# Altium PCB PCB_3U_DAC_no_BNC.PCBDOC (part 7 of 7) (continued)
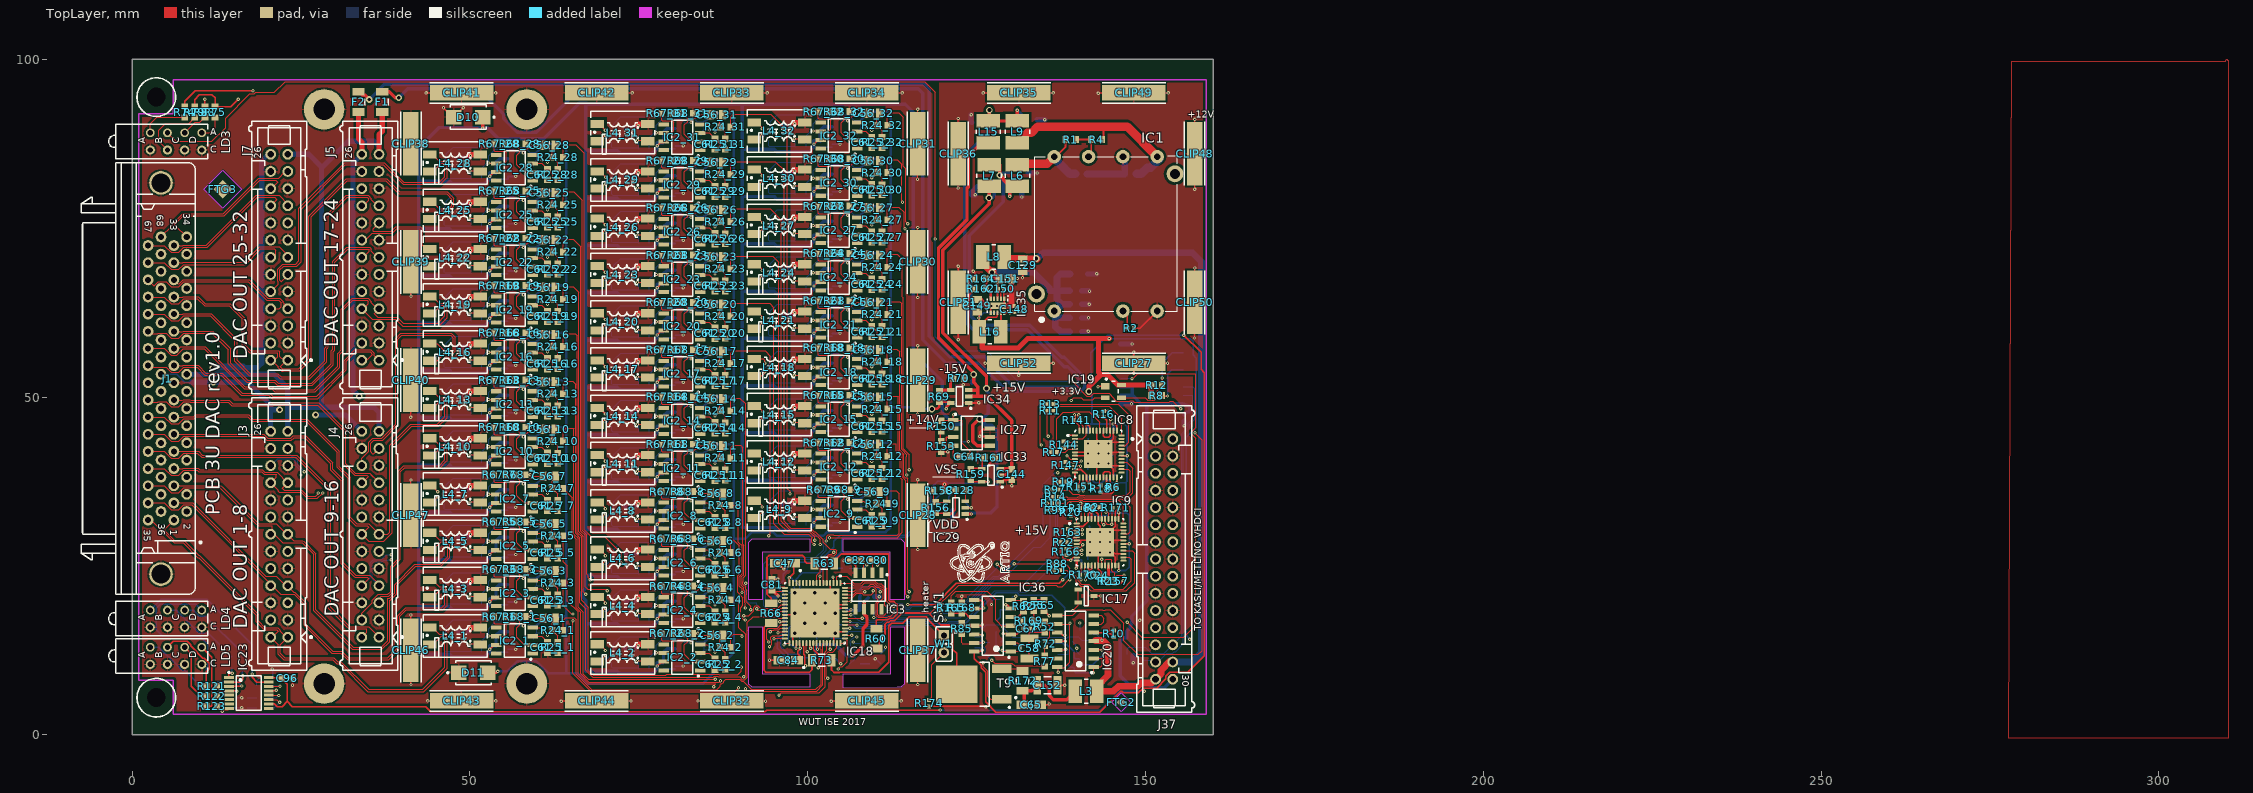
[diagram p0: TopLayer view]
## Nets (pads, with @x,y where several pads share a name; then routed paths per layer and width w, separated by ;. In a path a pad name is that pad's centre, name@x,y a point inside that pad or via, vN(x,y) a via of type N, cw(c..) or ccw(c..) an arc to the next point about the centre after c; other vN are vias at no path point) (continued)
  BottomLayer w0.152: R58.2@20.05,7.25 21.801,7.25 v1(21.869,7.181) ; R116.2@106.2,10.5 106.219,10.5 107,11.281 107,12.468 106.336,13.132 106.336,13.523 106.297,13.562 106.297,13.938 106.635,14.276 106.711,14.276 106.935,14.5 v1(107.25,14.5) ; v1(108.048,17.269) 108.81,17.269 109.143,16.936 109.938,16.936 110.203,17.201 110.203,17.411 110.449,17.657 113.515,17.657 113.636,17.777 v1(119.732,17.777)
VOUT1: IC18.42 R24_1.1 | length 57
  TopLayer w0.127: R24_1.1@63.792,15.494 63.792,16.995 64.166,17.369 65.403,17.369 65.757,17.015 65.757,8.953 68.038,6.672 86.516,6.672 87.025,7.181 87.025,7.444 87.138,7.558 87.275,7.558 87.533,7.816 87.533,7.952 87.833,8.252 89.92,8.252 90.234,7.939 90.437,7.939 91.626,6.75 101.211,6.75 101.976,7.514 101.976,12.673 101.884,12.765 101.884,13.51 IC18.42@101.813,13.581
VOUT2: IC18.43 R24_2.1 | length 29.9
  TopLayer w0.127: R24_2.1@88.592,12.994 88.592,14.495 88.966,14.869
  TopLayer w0.152: 88.966,14.869 90.255,14.869 90.268,14.856 v1(90.268,14.602) ; v1(90.786,6.841) 90.988,6.638 91.36,6.638 91.525,6.474 101.313,6.474 102.242,7.404 102.242,13.511 IC18.43@102.313,13.581
  Signal Layer 1 w0.152: v1(90.268,14.602) 90.268,11.232 90.75,10.75 90.75,9.046 90.975,8.821 90.975,8.445 90.786,8.257 v1(90.786,6.841)
VOUT3: IC18.44 R24_3.1 | length 60.6
  TopLayer w0.127: R24_3.1@63.792,22.494 63.792,19.088 64.976,17.904 v1(65.249,17.904) ; v1(65.249,16.888) 65.249,9.101 67.932,6.418 89.168,6.418 v1(89.75,7) ; v1(95.75,5.899) 96.058,6.207 101.685,6.207 102.587,7.109 102.587,8.137 102.509,8.215 102.509,12.13 102.587,12.208 102.587,12.316 102.813,12.542 IC18.44@102.813,13.581
  Signal Layer 1 w0.127: v1(65.249,16.888) v1(65.249,17.904) ; v1(89.75,7) 89.75,6.859 90.488,6.121 91.084,6.121 91.145,6.181 95.468,6.181 v1(95.75,5.899)
VOUT4: IC18.45 R24_4.1 | length 34.1
  TopLayer w0.127: R24_4.1@88.592,19.994 89.683,19.994 89.814,19.863 89.814,19.512
  TopLayer w0.152: 89.814,19.512 89.814,15.853 90.795,14.873 90.795,8.907 v1(90.522,8.633) ; IC18.45@103.313,13.581 103.313,12.733 v1(103.349,12.697)
  Signal Layer 1 w0.152: v1(90.522,8.633) 90.333,8.445 90.333,6.653 90.598,6.387 90.974,6.387 91.034,6.448 95.842,6.448 96.07,6.22 100.682,6.22 102.206,7.744 102.206,11.381 103.349,12.524 v1(103.349,12.697)
VOUT5: IC18.47 R24_5.1 | length 69.3
  TopLayer w0.127: R24_5.1@63.792,29.494 63.792,25.667 64.433,25.026 64.433,19.78 66.011,18.202 66.011,9.058 67.511,7.558 86.39,7.558 86.106,7.274 v1(86.106,7.112) ; v1(102.968,8.379) 102.763,8.584 102.763,12.025 103.054,12.316 103.107,12.316 103.166,12.257 103.67,12.257 104.313,12.899 IC18.47@104.313,13.581
  Signal Layer 1 w0.127: v1(86.106,7.112) 87.222,7.112 87.474,7.363 89.379,5.458 95.209,5.458 95.462,5.205 101.063,5.205 103.095,7.236 103.095,8.252 v1(102.968,8.379)
VOUT6: IC18.48 R24_6.1 | length 36.2
  TopLayer w0.127: R24_6.1@88.592,26.994 88.592,28.495 88.966,28.869 89.827,28.007 89.827,23.772 89.61,23.554 89.61,22.451 89.606,22.448 89.606,21.118 90.395,20.329 90.395,19.174 90.081,18.861 90.081,17.468 90.534,17.015 v1(90.776,17.015) ; IC18.48@104.813,13.581 105.376,13.581 v1(105.381,13.586)
  Signal Layer 1 w0.127: v1(90.776,17.015) 93.57,17.015 94.87,15.715 94.87,14.887 94.451,14.468 94.451,14.176 94.846,13.781 95.06,13.781 96.181,12.659 97.481,12.659 98.086,13.265 99.122,13.265 99.471,12.916 99.471,12.141 99.729,11.883 100.109,11.883 101.003,12.777 101.003,12.88 101.261,13.138 101.729,13.138 102.745,14.154 104.813,14.154 v1(105.381,13.586)
VOUT7: IC18.49 R24_7.1 | length 76.3
  TopLayer w0.127: R24_7.1@63.792,36.494 63.792,36.411 65.122,35.081 65.122,29.633 65.757,28.998 65.757,18.815 66.392,18.18 66.392,9.036 67.616,7.812 86.906,7.812 v1(87.093,7.998) ; v1(104.5,9.75) 104.5,9.784 104.788,10.072 105.092,10.072 105.821,10.801 105.821,13.973 IC18.49@105.513,14.281
  Signal Layer 1 w0.127: v1(87.093,7.998) 87.601,7.998 89.887,5.712 95.314,5.712 95.568,5.459 100.809,5.459 102.527,7.177 102.527,8.562 102.785,8.82 103.535,8.82 104.465,9.75 v1(104.5,9.75)
VOUT8: IC18.50 R24_8.1 | length 41.5
  TopLayer w0.127: R24_8.1@88.592,33.994 89.437,33.994 89.725,33.706
  TopLayer w0.152: 89.725,33.706 89.725,28.517 90.268,27.975 90.268,23.835 89.876,23.444 89.876,22.34 89.873,22.337 89.873,22.019 90.268,21.625 v1(90.268,21.079) ; IC18.50@105.513,14.781 105.565,14.729 v1(106.524,14.729)
  Signal Layer 1 w0.152: v1(90.268,21.079) 90.268,20.089 90.793,19.564 93.053,19.564 93.697,18.92 97.507,18.92 98.821,20.234 99.854,20.234 99.898,20.19 100.174,20.19 101.063,19.301 101.798,19.301 102.271,18.828 103.06,18.828 103.66,19.428 105.375,19.428 106.209,20.262 106.584,20.262 107.286,19.561 107.286,16.894 107.739,16.441 107.739,15.944 v1(106.524,14.729)
VOUT9: IC18.21 R24_9.1 | length 41.3
  TopLayer w0.127: v1(95.863,19.809) 95.785,19.809 95.757,19.781 IC18.21@96.613,19.781 ; v1(102.714,28.699) 102.781,28.767 102.781,29.39 103.039,29.648 103.797,29.648 103.857,29.588 113.255,29.588 113.509,29.842 113.509,35.684 113.074,36.119 112.166,36.119 111.792,35.745 R24_9.1@111.792,34.244
  BottomLayer w0.127: 95.602,19.809 v1(95.863,19.809) 95.355,19.301 94.078,19.301 93.77,19.609 93.77,24.709 95.094,26.032 101.444,26.032 102.714,27.302 v1(102.714,28.699)
VOUT10: IC18.22 R24_10.1 | length 79.6
  TopLayer w0.127: R24_10.1@63.792,43.494 63.792,44.995 64.166,45.369 65.343,45.369 65.376,45.336 65.376,29.738 66.011,29.103 66.011,18.92 66.773,18.158 66.773,9.014 67.535,8.252 v1(86.331,8.252) ; v1(90.522,17.65) 91.271,17.65 91.978,18.357 91.978,18.841 92.244,19.107 92.609,19.107 93,18.716 95.564,18.716 95.676,18.827 95.676,18.868 96.09,19.281 IC18.22@96.613,19.281
  Signal Layer 1 w0.127: v1(86.331,8.252) 86.517,8.439 87.275,8.439 87.334,8.379 87.601,8.379 89.887,10.665 89.887,10.877 89.573,11.191 89.573,16.829 90.395,17.65 v1(90.522,17.65)
VOUT11: IC18.23 R24_11.1 | length 34.1
  TopLayer w0.127: R24_11.1@88.592,40.994 88.592,42.495 88.966,42.869 90.068,42.869 90.395,42.542 90.395,28.225 90.534,28.085 90.534,23.724 90.19,23.38 90.19,22.811 90.143,22.764 90.143,22.23 90.14,22.227 90.14,22.176 90.534,21.782 90.534,21.435 90.708,21.262 90.708,20.897 90.649,20.837 90.649,19.577 90.776,19.45 v1(90.776,18.793) ; v1(92.427,18.666) 92.631,18.462 95.67,18.462 95.989,18.781 IC18.23@96.613,18.781
  Signal Layer 1 w0.127: v1(90.776,18.793) 91.169,18.793 91.355,18.98 91.72,18.98 91.906,18.793 92.3,18.793 v1(92.427,18.666)
VOUT12: IC18.24 R24_12.1 | length 50.1
  TopLayer w0.127: v1(95.729,17.904) 95.729,18.031 95.979,18.281 IC18.24@96.613,18.281 ; v1(103.222,29.207) 103.222,29.222 113.269,29.222 114.017,29.969 114.017,37.772 113.703,38.085 113.703,41.371 113.128,41.946 113.128,43.119 112.166,43.119 111.792,42.745 R24_12.1@111.792,41.244
  Signal Layer 1 w0.127: v1(95.729,17.904) v1@95.729,18.031
  BottomLayer w0.127: v1(95.729,17.904) 94.713,17.904 93.516,19.101 93.516,25.344 94.459,26.286 101.19,26.286 102.333,27.429 102.333,27.937 102.273,27.997 102.273,28.906 102.574,29.207 v1(103.222,29.207)
VOUT13: IC18.26 R24_13.1 | length 85.6
  TopLayer w0.127: R24_13.1@63.792,50.494 63.792,51.995 64.166,52.369 65.201,52.369 65.63,51.94 65.63,29.843 66.265,29.208 66.265,19.555 67.154,18.666 67.154,9.544 68.146,8.552 86.007,8.552 86.148,8.693 86.706,8.693 86.765,8.633 89.899,8.633 90.339,8.193 90.704,8.193 91.062,8.55 91.062,15.437 91.042,15.457 91.042,16.647 91.919,17.523 95.487,17.523 95.729,17.281 IC18.26@96.613,17.281
VOUT14: IC18.27 R24_14.1 | length 41.2
  TopLayer w0.127: R24_14.1@88.592,47.994 88.592,49.495 88.966,49.869 89.926,49.869 90.788,49.006 90.788,23.619 90.444,23.275 90.444,22.706 90.397,22.659 90.397,22.294 90.788,21.902 90.788,21.541 90.962,21.367 90.962,20.792 90.903,20.732 90.903,19.682 91.538,19.047 v1(91.538,18.539) ; v1(95.863,16.761) 95.883,16.781 IC18.27@96.613,16.781
  Signal Layer 1 w0.127: v1(91.538,18.539) 92.3,17.777 94.84,17.777 95.856,16.761 v1(95.863,16.761)
VOUT15: IC18.28 R24_15.1 | length 66.5
  TopLayer w0.127: v1(94.25,13.75) 94.25,13.829 93.951,14.128 93.951,15.58 94.186,15.816 95.564,15.816 96.03,16.281 IC18.28@96.613,16.281 ; R24_15.1@111.792,48.244 111.792,49.745 112.166,50.119 113.298,50.119 113.382,50.035 113.382,42.052 113.957,41.476 113.957,38.191 114.525,37.623 114.525,20.825 114.779,20.571 v1(114.779,20.444)
  Signal Layer 1 w0.127: v1@94.289,13.789 94.552,13.527 94.955,13.527 96.237,12.245 98.352,12.245 98.968,11.629 100.998,11.629 101.884,12.515 101.884,12.933 102.85,13.9 104.047,13.9 105.145,12.801 107.898,12.801 110.334,15.237 110.334,16.253 111.731,17.65 113.75,17.65 115.219,19.119 115.219,19.484 114.779,19.924 v1(114.779,20.444)
VOUT16: IC18.29 R24_16.1 | length 91.4
  TopLayer w0.127: R24_16.1@63.792,57.494 63.792,58.995 64.166,59.369 65.567,59.369 65.884,59.052 65.884,29.948 66.519,29.313 66.519,19.936 67.535,18.92 67.535,9.522 68.251,8.806 78.991,8.806 79.132,8.947 86.811,8.947 86.87,8.887 89.633,8.887 90.141,9.395 v1(90.141,10.03) ; v1(94.43,15.25) 94.663,15.483 94.937,15.483 95.015,15.562 95.687,15.562 95.93,15.805 96.589,15.805 IC18.29@96.613,15.781
  Signal Layer 1 w0.127: v1(90.141,10.03) 90.141,10.982 89.827,11.296 89.827,15.827 90.222,16.222 93.352,16.222 94.324,15.25 v1(94.43,15.25)
VOUT17: IC18.30 R24_17.1 | length 55.6
  TopLayer w0.127: R24_17.1@88.592,54.994 88.592,56.495 88.966,56.869 93.672,56.869 94.482,56.058 94.482,29.712 v1(94.234,29.464) ; v1@95.685,15.281 IC18.30@96.613,15.281
  Signal Layer 1 w0.127: v1(90.837,22.476) 90.837,22.541 90.776,22.603 90.776,28.572 91.796,29.592 93.294,29.592 93.422,29.464 v1(94.234,29.464)
  BottomLayer w0.127: v1(90.837,22.476) 90.837,20.001 91.284,19.555 92.427,19.555 92.427,19.289 95.602,16.114 v1(95.602,15.11)
VOUT18: IC18.31 R24_18.1 | length 72.9
  TopLayer w0.127: v1(94.332,13.078) 94.69,13.437 94.69,13.937 94.559,14.068 94.559,14.432 94.817,14.69 95.182,14.69 95.211,14.662 95.5,14.662 95.508,14.67 95.832,14.67 95.944,14.781 IC18.31@96.613,14.781 ; R24_18.1@111.792,55.244 111.792,56.745 112.166,57.119 113.206,57.119 113.636,56.689 113.636,42.157 114.211,41.581 114.211,38.296 114.469,38.038 114.733,38.038 114.779,37.992 114.779,21.46 v1(115.033,21.206)
  Signal Layer 1 w0.127: v1(94.332,13.078) 95.044,13.078 96.131,11.991 98.247,11.991 98.863,11.375 101.103,11.375 102.138,12.41 102.138,12.828 102.956,13.646 103.942,13.646 105.04,12.547 108.449,12.547 110.588,14.686 110.588,15.872 111.858,17.142 113.602,17.142 115.473,19.014 115.473,20.766 v1(115.033,21.206)
VOUT19: IC18.32 R24_19.1 | length 83.6
  TopLayer w0.127: R24_19.1@63.792,64.494 63.792,65.995 64.166,66.369 65.298,66.369 66.138,65.529 66.138,30.054 66.773,29.419 66.773,21.206 v1(67.154,20.825) ; v1(95,14.25) 94.931,14.25 94.9,14.281 IC18.32@96.613,14.281
  Signal Layer 1 w0.127: v1(67.154,20.825) 67.211,20.768 79.369,20.768 79.785,21.184 87.892,21.184 90.081,18.994 90.081,18.506 90.488,18.099 90.708,18.099 91.538,17.269 93.675,17.269 95.124,15.82 95.124,14.782 95,14.657 v1(95,14.25)
VOUT20: IC18.33 R24_20.1 | length 83
  TopLayer w0.127: R24_20.1@88.592,61.994 88.592,63.495 88.966,63.869 94.341,63.869 94.967,63.243 94.967,31.239 96.491,29.715 100.174,29.715 100.682,29.207 100.622,29.148 100.622,28.505 v1(100.936,28.191) ; v1(96.491,13.354) 96.718,13.581 IC18.33@97.313,13.581
  Signal Layer 1 w0.127: v1(96.491,13.354) 97.417,14.281 101.761,14.281 103.456,15.976 104.454,15.976 105.007,15.422 105.007,14.942 106.309,13.64 106.309,13.568 106.567,13.309 106.932,13.309 109.064,15.441 109.064,17.093 109.055,17.101 109.055,17.677 109.064,17.685 109.064,19.628 108.526,20.165 108.487,20.165 107.756,20.897 107.109,20.897 106.524,21.482 106.524,22.117 104.767,23.873 102.185,23.873 100.809,25.25 100.809,28.064 v1(100.936,28.191)
VOUT21: IC18.37 R24_21.1 | length 74.8
  TopLayer w0.127: R24_21.1@111.792,62.244 111.792,63.745 112.166,64.119 ; 112.166,64.119 113.649,64.119 113.89,63.878 113.89,42.262 114.652,41.5 114.652,41.217 114.592,41.157 114.592,38.538 v1(114.652,38.478)
  TopLayer w0.203: IC18.37@99.313,13.581 99.313,13.128 99.387,13.054 99.418,13.022 99.418,12.626 99.396,12.604 99.396,11.924 99.554,11.766 99.554,10.361 v1(99.677,10.239)
  Signal Layer 1 w0.127: v1(99.677,10.239) 100.484,11.046 101.134,11.046 102.392,12.304 102.392,12.723 103.061,13.392 103.837,13.392 104.935,12.293 108.555,12.293 110.969,14.707 110.969,15.872 111.985,16.888 113.89,16.888 115.727,18.726 115.727,21.135 115.207,21.655 115.126,21.655 114.652,22.129 v1(114.652,38.478)
VOUT22: IC18.38 R24_22.1 | length 97.3
  TopLayer w0.127: R24_22.1@63.792,71.494 63.792,72.995 64.166,73.369 65.283,73.369 66.392,72.26 66.392,30.159 67.027,29.524 67.027,21.968 67.408,21.587 70.075,21.587 v1(70.329,21.333) ; IC18.38@99.813,13.581 99.813,12.296 99.84,12.323 v1(99.912,12.323)
  Signal Layer 1 w0.127: v1(70.329,21.333) 78.689,21.333 79.004,21.649 79.369,21.649 79.63,21.388 79.68,21.438 88.135,21.438 90.335,19.238 90.335,18.611 90.593,18.353 91.101,18.353 91.931,17.523 94.205,17.523 96.237,15.491 96.237,14.48 96.05,14.294 96.05,13.172 96.308,12.913 97.2,12.913 98,13.713 99.539,13.713 99.912,13.34 v1(99.912,12.323) v1@99.793,12.442
VOUT23: IC18.39 R24_23.1 | length 87.5
  TopLayer w0.127: R24_23.1@88.592,68.994 88.592,70.495 88.966,70.869 94.834,70.869 95.729,69.974 95.729,31.366 97.043,30.052 100.207,30.052 100.711,29.548 100.849,29.548 101.063,29.334 v1(101.063,28.826)
  TopLayer w0.203: IC18.39@100.313,13.581 100.313,12.709 v1(100.428,12.824)
  Signal Layer 1 w0.127: v1(100.428,12.824) 100.995,13.392 101.231,13.392 102.247,14.408 102.463,14.408 103.777,15.722 104.349,15.722 104.753,15.317 104.753,14.837 106.055,13.534 106.055,13.462 106.462,13.055 107.39,13.055 109.445,15.11 109.445,17.072 109.309,17.207 109.309,17.572 109.445,17.707 109.445,19.606 108.285,20.766 108.246,20.766 107.861,21.151 107.214,21.151 106.778,21.587 106.778,22.222 104.873,24.127 102.291,24.127 101.063,25.355 101.063,27.695 101.376,28.009 101.376,28.513 v1(101.063,28.826)
VOUT24: IC18.40 R24_24.1 | length 82.5
  TopLayer w0.127: IC18.40@100.813,13.581 100.868,13.526 100.868,12.596 100.906,12.558 ; R24_24.1@111.792,69.244 111.792,70.745 112.166,71.119 ; 112.166,71.119 113.253,71.119 114.017,70.355 114.017,64.894 114.144,64.767 114.144,42.367 115.033,41.478 v1(115.033,39.24)
  TopLayer w0.203: 100.906,12.558 101.245,12.219 101.287,12.219 101.684,11.822 101.684,10.044 101.584,9.945 v1(101.535,9.945)
  Signal Layer 1 w0.127: v1(101.535,9.945) 101.535,11.088 102.646,12.199 102.646,12.316 102.908,12.578 102.908,12.88 103.166,13.138 103.531,13.138 105.368,11.3 107.921,11.3 111.35,14.729 111.35,15.872 112.112,16.634 114.398,16.634 116.049,18.285 116.049,21.333 115.473,21.909 115.231,21.909 114.973,22.167 114.973,38.177 115.092,38.296 115.092,39.181 v1(115.033,39.24)
VOUT25: IC18.60 R24_25.1 | length 103.7
  TopLayer w0.127: R24_25.1@63.792,78.494 63.792,79.995 64.166,80.369 65.395,80.369 66.646,79.118 66.646,30.264 67.281,29.629 67.281,23.746 67.535,23.492 67.535,23.238 v1(67.789,22.984) ; IC18.60@105.513,19.781 106.369,19.781 v1(106.397,19.809)
  Signal Layer 1 w0.127: v1(67.789,22.984) 86.995,22.984 90.683,19.297 92.814,19.297 93.457,18.653 97.617,18.653 97.757,18.793 101.593,18.793 101.986,18.399 103.332,18.399 103.726,18.793 105.381,18.793 v1(106.397,19.809)
VOUT26: IC18.61 R24_26.1 | length 79.6
  TopLayer w0.127: R24_26.1@88.592,75.994 88.592,77.495 88.966,77.869 94.438,77.869 96.11,76.197 96.11,31.642 97.445,30.306 100.378,30.306 100.883,29.802 100.954,29.802 101.825,28.931 v1(101.825,28.191) ; IC18.61@105.513,20.281 106.615,20.281 107.286,20.952 108.06,20.952 108.246,20.766 109.385,20.766 109.699,21.079 v1(109.699,21.333)
  Signal Layer 1 w0.127: v1(101.825,28.191) 102.019,27.997 102.019,25.062 102.7,24.381 105.275,24.381 107.688,21.968 109.191,21.968 109.826,21.333 v1(109.699,21.333)
VOUT27: IC18.62 R24_27.1 | length 78.9
  TopLayer w0.127: IC18.62@105.513,20.781 106.755,20.781 107.18,21.206 v1(108.429,21.206) ; R24_27.1@111.792,76.244 111.792,77.745 112.166,78.119 ; 112.166,78.119 113.492,78.119 114.271,77.34 114.271,75.054 v1(114.398,74.927)
  Signal Layer 1 w0.127: v1(108.429,21.206) 108.831,21.206 109.339,20.698 109.686,20.698 110.139,21.151 110.139,21.782 109.699,22.222 107.794,22.222 105.381,24.635 104.111,24.635 103.416,25.33 103.416,27.231 103.476,27.29 103.476,28.169 105.148,29.842 111.604,29.842 113.89,32.128 113.89,74.419 v1(114.398,74.927)
VOUT28: IC18.3 R24_28.1 | length 109.7
  TopLayer w0.127: R24_28.1@63.792,85.494 63.792,86.995 64.166,87.369 65.634,87.369 66.9,86.103 66.9,30.369 67.935,29.334 69.954,29.334 72.415,26.873 v1(72.415,25.451) ; v1(103.73,23.365) 103.813,23.282 IC18.3@103.813,22.481
  Signal Layer 1 w0.127: v1@72.415,25.448 79.294,25.448 79.981,24.762 90.141,24.762 90.522,24.381 90.522,22.845 90.397,22.721 90.397,21.573 90.708,21.262 90.708,20.897 90.534,20.723 90.534,20.2 90.904,19.83 94.942,19.83 95.403,19.369 97.578,19.369 98.71,20.501 100.24,20.501 100.551,20.19 102.079,20.19 103.73,21.841 v1(103.73,23.365)
VOUT29: IC18.5 R24_29.1 | length 77.6
  TopLayer w0.127: R24_29.1@88.592,82.994 88.592,84.495 88.966,84.869 95.185,84.869 96.491,83.563 96.491,31.62 97.507,30.604 100.44,30.604 100.988,30.056 101.103,30.056 102.273,28.886 102.273,28.517 103.301,27.489 104.039,27.489 104.297,27.231 104.297,26.866 103.919,26.488 103.256,26.488 102.9,26.132 102.9,22.569 IC18.5@102.813,22.481
VOUT30: IC18.6 R24_30.1 | length 74.2
  TopLayer w0.127: IC18.6@102.333,22.501 IC18.6@102.313,22.481 102.313,25.25 v1(102.46,25.397) ; R24_30.1@111.792,83.244 111.792,84.745 112.166,85.119 113.223,85.119 113.89,84.452 113.89,78.991 v1(114.017,78.864)
  Signal Layer 1 w0.127: v1(102.46,25.397) 102.46,26.794 103.222,27.556 103.222,28.275 105.043,30.096 110.67,30.096 113.636,33.062 113.636,78.483 v1(114.017,78.864)
VOUT31: IC18.7 R24_31.1 | length 80.2
  TopLayer w0.127: R24_31.1@88.592,89.994 88.592,91.495 88.966,91.869 94.535,91.869 96.999,89.405 96.999,36.446 97.38,36.065 v1(97.38,35.684) ; IC18.7@101.813,22.481 v1(101.813,23.492)
  Signal Layer 1 w0.127: v1(97.38,35.684) 97.38,34.547 97.899,34.027 98.275,34.027 100.368,31.934 100.368,30.676 100.453,30.591 100.453,24.852 v1(101.813,23.492)
VOUT32: IC18.8 R24_32.1 | length 83.3
  TopLayer w0.127: IC18.8@101.313,22.481 101.313,23.615 101.676,23.978 101.825,23.978 101.825,25.416 103.15,26.742 103.528,26.742 103.835,27.048 v1(103.857,27.048) ; R24_32.1@111.792,90.244 111.792,91.745 112.166,92.119 113.462,92.119 114.144,91.437 114.144,84.198 114.525,83.817 114.525,75.943 v1(114.779,75.689)
  Signal Layer 1 w0.127: v1(103.857,27.048) 103.984,27.175 103.984,28.318 105.254,29.588 111.709,29.588 114.211,32.09 114.211,74.211 114.487,74.487 114.58,74.487 114.838,74.745 114.838,75.63 v1(114.779,75.689)
pads on no net: FTG1.FTG2 FTG2.1 FTG3.1 FTG4.1 IC1.8 IC1.9 IC2_1.1 IC2_1.5 IC2_1.8 IC2_2.1 IC2_2.5 IC2_2.8 IC2_3.1 IC2_3.5 IC2_3.8 IC2_4.1 IC2_4.5 IC2_4.8 IC2_5.1 IC2_5.5 IC2_5.8 IC2_6.1 IC2_6.5 IC2_6.8 IC2_7.1 IC2_7.5 IC2_7.8 IC2_8.1 IC2_8.5 IC2_8.8 IC2_9.1 IC2_9.5 IC2_9.8 IC2_10.1 IC2_10.5 IC2_10.8 IC2_11.1 IC2_11.5 IC2_11.8 IC2_12.1 IC2_12.5 IC2_12.8 IC2_13.1 IC2_13.5 IC2_13.8 IC2_14.1 IC2_14.5 IC2_14.8 IC2_15.1 IC2_15.5 IC2_15.8 IC2_16.1 IC2_16.5 IC2_16.8 IC2_17.1 IC2_17.5 IC2_17.8 IC2_18.1 IC2_18.5 IC2_18.8 IC2_19.1 IC2_19.5 IC2_19.8 IC2_20.1 IC2_20.5 IC2_20.8 IC2_21.1 IC2_21.5 IC2_21.8 IC2_22.1 IC2_22.5 IC2_22.8 IC2_23.1 IC2_23.5 IC2_23.8 IC2_24.1 IC2_24.5 IC2_24.8 IC2_25.1 IC2_25.5 IC2_25.8 IC2_26.1 IC2_26.5 IC2_26.8 IC2_27.1 IC2_27.5 IC2_27.8 IC2_28.1 IC2_28.5 IC2_28.8 IC2_29.1 IC2_29.5 IC2_29.8 IC2_30.1 IC2_30.5 IC2_30.8 IC2_31.1 IC2_31.5 IC2_31.8 IC2_32.1 IC2_32.5 IC2_32.8 IC3.1 IC3.5 IC3.7 IC3.8 IC8.17 IC8.25 IC8.29 IC8.32 IC8.35 IC8.44 IC9.17 IC9.25 IC9.29 IC9.32 IC9.35 IC9.44 IC13.6 IC13.7 IC13.9 IC13.11 IC13.13 IC18.9 IC18.10 IC18.11 IC18.12 IC18.13 IC18.14 IC18.15 IC18.19 IC18.20 IC23.9 IC32.5 IC35.4 IC35.7
copper on no net: | length 0.1
  Signal Layer 1 w0.203: 127.352,34.981 127.352,35.049

## Polygon pours and split planes (outlines as drawn)
GND on Signal Layer 1 "L3-No Net" (solid, remove dead copper, pour order 0): -2.25,102 0,99.75 159.745,99.75 160,0.005 0.75,0
GNDP_2 on Signal Layer 1 "L3-No Net" (solid, remove dead copper, shelved, pour order 8): 278,100.25 310,100.25 309.809,100.059 309.809,0.5 278.25,0.5 278,0.25
GNDP_2 on BottomLayer "L3-No Net" (solid, remove dead copper, shelved, pour order 16): 278.107,100.5 278.357,100.25 309.857,100.25 309.857,0 310.107,-0.25 309.857,0 278.107,0
P3V3 on BottomLayer "L3-No Net" (solid, remove dead copper, pour order 26): 140,53 145,53 145,48.27 145.27,48 148.699,48 148.699,21 137,21 137,24 138,25 138,53 140,53
P12V0A on BottomLayer "L3-No Net" (solid, remove dead copper, pour order 28): 121,45 127,45 127,56 117,56 116,57 116,94 66,94 65,93 60.584,88.584 60,88.584 57.416,88.584 55,91 54,92 53,92 53,91 56,88 58,88 62,88 60,88 60,15 64,15 64,89 67,92 73,92 85,92 85,77 85,14 85.177,14.177 88.5,14.177 88.5,92 107,92 107,34.401 107.072,34.329 107.401,34 114.017,34 114.017,43.017 116,45 119,48 119,49 120,50 123,50 120,50 120,51 125,51 125,48 123,48 121,46
N12V0A on BottomLayer "L3-No Net" (solid, remove dead copper, pour order 30): 123,50.5 123,48.5 121,46.5 118.5,44 118.5,41 118.5,33.015 117,31.515 115.073,29.588 111,29.588 102.747,29.588 102.159,29 102.121,29.037 97,29.037 92.037,29.037 91,28 91,26 91,12.155 89.984,11.139 83.345,4.5 79.5,4.5 67,4.5 62.5,4.5 42,4.5 41,5.5 39.5,7 39.5,9.5 39.5,82.388 39.388,82.5 44.5,82.5 44.5,80.5 42.5,80.5 42.5,10.824 42.268,10.591 53.571,10.591 55,12.021 55.253,12.274 63.5,12.274 64.5,12.274 64.5,23.555 64.5,87 68,87 67.91,86.91 67.91,81 67.91,8.59 68,8.5 68.052,8.552 78,8.552 82.704,8.552 83.652,9.5 88.5,14.348 88.5,16.5 88.5,86 89,86.5 89.5,87 91.046,87 91.046,86.954 91.5,86.5 91.5,83.5 91.5,30 96.5,30 100.879,30 102,31.121 102.379,31.5 107.5,31.5 112.5,31.5 113.5,32.5 114.211,33.211 114.211,35 114.211,43.211 115,44 120.5,49.5 120.5,50 120.5,50.5 123,50.5
P12V0 on BottomLayer "L3-No Net" (solid, remove dead copper, pour order 32): 153,11.935 156,11.935 156.827,12.762 156.827,67.673 156,68.5 155.5,69 145,69 132.5,69 131.5,70 131.5,72 131.5,73.5 132,74 132.5,74.5 137,74.5 160,74.5 160.5,75 160,74.5 160,11 159,10 158.5,9.5 153.028,9.5 152.917,9.61 153,9.693
P13V0_SCSI on BottomLayer "L3-No Net" (solid, remove dead copper, pour order 34): 8,54.699 8.468,54.231 14,54.231 23.694,54.231 24.963,55.5 24.963,58.5 24.963,83.537 24,84.5 22,84.5 22,87 27,87 28.695,87 30.195,88.5 30.695,89 36,89 38.212,89 38.462,88.75 38.5,88.712 38.5,87.254 38.5,85 35.5,85 35.5,86.949 35.33,86.779 33,86.779 33,86.748 30.5,84.248 30,83.748 30,81.5 30,49.5 38,49.5 38,44.107 37.893,44 35.5,44 35.5,47.5 25,47.5 25,44.015 24.928,43.943 22,43.943 22,50.539 20.5,52.039 20.5,52.228 8.272,52.228 8,52.5
N13V0_SCSI on BottomLayer "L3-No Net" (solid, remove dead copper, pour order 36): 35,86.5 35,85 34.091,85 33.5,84.409 33.5,82.5 33.5,52.5 34.5,51.5 34.5,50.5 34.5,49.874 34.374,50 31.5,50 31.5,84.5 32.5,85.5 33.788,86.788 34.835,86.788
N13V0_SCSI on BottomLayer "L3-No Net" (solid, remove dead copper, pour order 38): 21.5,87 21.5,85 21,84.5 20.5,84 19.5,84 19.5,82.5 19.5,55 19,54.5 18.5,54 17.5,54 11.5,54 11.5,55.5 18,55.5 18,86 19,87
GND on BottomLayer "L3-No Net" (solid, remove dead copper, pour order 40): 0,100 0,0 0.003,0.003 159.997,0.003 159.997,100.497 160,100.5 159.5,100 0,100
GNDP_2 on TopLayer "L3-No Net" (solid, remove dead copper, shelved, pour order 24): 278.25,99.75 309.809,99.75 310.059,100 310.25,99.809 310.25,-0.5 277.75,-0.5
GND on TopLayer "L3-No Net" (solid, remove dead copper, pour order 42): 0,100 160,100 159.997,99.997 159.997,0.003 0.003,0.003 0,0
GNDP_2 on Internal Plane 2 (split plane): 159.49,50.005 159.484,0.516 0.51,0.51 0.51,99.489 118.5,99.489 118.5,59 126,51.5 141,51.5 141,52.5 126,52.5 119.5,59 119.5,99.489 159.484,99.489

## Keep-outs
KeepOutLayer:
  lines w0.203: 1,8.103 6.096,8.103 6.096,3.023 159,3.023 159,97.003 6.096,97.003 6.096,91.923 1,91.923 1,8.103

## Other copper
TopLayer:
  pour cut-out: 119.5,100 119.5,59 126,52.5 141,52.5 141,51.5 126,51.5 118.5,59 118.5,100
Signal Layer 1:
  pour cut-out: 119.5,100 119.5,59 126,52.5 141,52.5 141,51.5 126,51.5 118.5,59 118.5,100
BottomLayer:
  pour cut-out: 119.5,100 119.5,59 126,52.5 141,52.5 141,51.5 126,51.5 118.5,59 118.5,100
Internal Plane 2 (plane layer: these items are gaps in the copper):
  pour cut-out: 119.5,100 119.5,59 126,52.5 141,52.5 141,51.5 126,51.5 118.5,59 118.5,100

## Silkscreen, mask and mechanical layers (free items; w line width, h text height)
TopOverlay:
  drawing of 1225 lines, arcs and shapes, not listed
  text "+12V" at 156.24,91.325 h1.02
  text "DAC OUT 17-24" at 30.48,57.404 h2.03 r90
  text "DAC OUT 25-32" at 17.018,55.626 h2.03 r90
  text "-15V" at 119.5,53.5 h1.27
  text "+15V" at 127.327,50.776 h1.27
  text "+3.3V" at 136.119,50.343 h1.02
  text "+14V" at 114.5,46 h1.27
  text "VSS" at 118.888,38.697 h1.27
  text "PCB 3U DAC rev1.0" at 12.954,32.512 h2.03 r90
  text "VDD" at 118.5,30.5 h1.27
  text "+15V" at 130.678,29.64 h1.27
  text "heater" at 117.941,18.044 h1 r90
  text "DAC OUT 9-16" at 30.578,17.526 h2.03 r90
  text "DAC OUT 1-8" at 17.018,15.748 h2.03 r90
  text "TO KASLI/METLINO VHDCI" at 158.263,15.456 h1.02 r90
  text "WUT ISE 2017" at 98.638,1.431 h1.02
BottomOverlay:
  drawing of 1216 lines, arcs and shapes, not listed
  text "PCB 3U DAC rev1.0" at 14.249,37.567 h2.03 r270
  text "WUT ISE 2017" at 109.788,1.431 h1.02
Mechanical1:
  lines w0.1: 0,0 0,100 159.995,100 ; 159.995,0.005 159.995,50 ; 160,50.005 160,60 160,100 ; 91.252,16.031 91.252,7.542 91.763,7.031 100.273,7.031 100.273,9.031 93.273,9.031 93.273,16.031 91.252,16.031 ; 91.252,16.031 91.252,16.031 ; 100.263,29.042 91.773,29.042 91.263,28.531 91.263,20.021 93.263,20.021 93.263,27.021 100.263,27.021 100.263,29.042 ; 100.263,29.042 100.263,29.042 ; 105.263,7.01 113.752,7.01 114.263,7.521 114.263,16.031 112.263,16.031 112.263,9.031 105.263,9.031 105.263,7.01 ; 105.263,7.01 105.263,7.01 ; 114.268,20.031 112.247,20.031 112.247,27.031 105.247,27.031 105.247,29.031 113.757,29.031 114.268,28.521 114.268,20.031 ; 114.268,20.031 114.268,20.031
  lines w0.254: 0,0 159.989,0 159.995,0.005
Mechanical4:
  lines w0.508: -2.544,-15.25 -2.544,114.162
  lines w1: 41.263,5.031 116.263,5.031 116.263,95.031 41.263,95.031 41.263,5.031 ; 122.263,55.031 122.263,95.031 157.263,95.031 157.263,55.031 122.263,55.031

## Text inside footprints (layer, text, board x,y; h text height)
J1: TopOverlay "36" at 3.865,31.261 h1 r270; TopOverlay "1" at 5.665,30.361 h1 r270; TopOverlay "2" at 7.615,31.261 h1 r270; TopOverlay "35" at 1.715,30.361 h1 r270; TopOverlay "34" at 7.55,77.211 h1 r270; TopOverlay "67" at 1.85,76.111 h1 r270; TopOverlay "68" at 3.6,77.011 h1 r270; TopOverlay "33" at 5.6,76.411 h1 r270; Mechanical14 "36" at 3.865,31.261 h1.02 r270; Mechanical14 "1" at 5.665,30.361 h1.02 r270; Mechanical14 "2" at 7.615,31.261 h1.02 r270; Mechanical14 "35" at 1.715,30.361 h1.02 r270; Mechanical14 "34" at 7.55,77.211 h1.02 r270; Mechanical14 "67" at 1.85,76.111 h1.02 r270; Mechanical14 "68" at 3.6,77.011 h1.02 r270; Mechanical14 "33" at 5.6,76.411 h1.02 r270; Mechanical8 "PCB Edge" at -0.99,57.081 h1.2 r270
J3: TopOverlay "26" at 19.095,44.311 h1.02 r90; Mechanical14 "26" at 19.095,44.311 h1.02 r90
J4: TopOverlay "26" at 32.595,44.311 h1.02 r90; Mechanical14 "26" at 32.595,44.311 h1.02 r90
J5: TopOverlay "26" at 32.595,85.311 h1.02 r90; Mechanical14 "26" at 32.595,85.311 h1.02 r90
J7: TopOverlay "26" at 19.095,85.311 h1.02 r90; Mechanical14 "26" at 19.095,85.311 h1.02 r90
J37: TopOverlay "30" at 155.43,8.886 h1.02 r270; Mechanical14 "30" at 155.43,8.886 h1.02 r270
LD3: TopOverlay "A" at 1.897,87.525 h1 r90; TopOverlay "B" at 4.437,87.525 h1 r90; TopOverlay "C" at 6.977,87.525 h1 r90; TopOverlay "D" at 9.517,87.525 h1 r90; TopOverlay "A" at 11.568,88.745 h1; TopOverlay "C" at 11.568,86.205 h1; Mechanical14 "A" at 1.897,87.525 h1 r90; Mechanical14 "B" at 4.437,87.525 h1 r90; Mechanical14 "C" at 6.977,87.525 h1 r90; Mechanical14 "D" at 9.517,87.525 h1 r90; Mechanical14 "C" at 11.568,86.205 h1; Mechanical14 "A" at 11.568,88.745 h1
LD4: TopOverlay "D" at 9.517,16.875 h1 r90; TopOverlay "C" at 6.977,16.875 h1 r90; TopOverlay "B" at 4.437,16.875 h1 r90; TopOverlay "A" at 1.897,16.875 h1 r90; TopOverlay "A" at 11.568,18.095 h1; TopOverlay "C" at 11.568,15.555 h1; Mechanical14 "D" at 9.517,16.875 h1 r90; Mechanical14 "C" at 6.977,16.875 h1 r90; Mechanical14 "B" at 4.437,16.875 h1 r90; Mechanical14 "A" at 1.897,16.875 h1 r90; Mechanical14 "C" at 11.568,15.555 h1; Mechanical14 "A" at 11.568,18.095 h1
LD5: TopOverlay "D" at 9.517,11.375 h1 r90; TopOverlay "C" at 6.977,11.375 h1 r90; TopOverlay "B" at 4.437,11.375 h1 r90; TopOverlay "A" at 1.897,11.375 h1 r90; TopOverlay "A" at 11.568,12.595 h1; TopOverlay "C" at 11.568,10.055 h1; Mechanical14 "D" at 9.517,11.375 h1 r90; Mechanical14 "C" at 6.977,11.375 h1 r90; Mechanical14 "B" at 4.437,11.375 h1 r90; Mechanical14 "A" at 1.897,11.375 h1 r90; Mechanical14 "C" at 11.568,10.055 h1; Mechanical14 "A" at 11.568,12.595 h1